# Altium PCB ADV7611采集卡.PcbDoc (part 2 of 2)
Units mm, origin at the board's own origin, x right, y up, seen from the top; angles counter-clockwise.
Board outline 46.13 x 42.44 mm, 4 copper layers (Top Layer, Power1, Power2, Bottom Layer), stack 0.567 mm thick; 57 components, 83 nets, 296 pads, 306 vias.
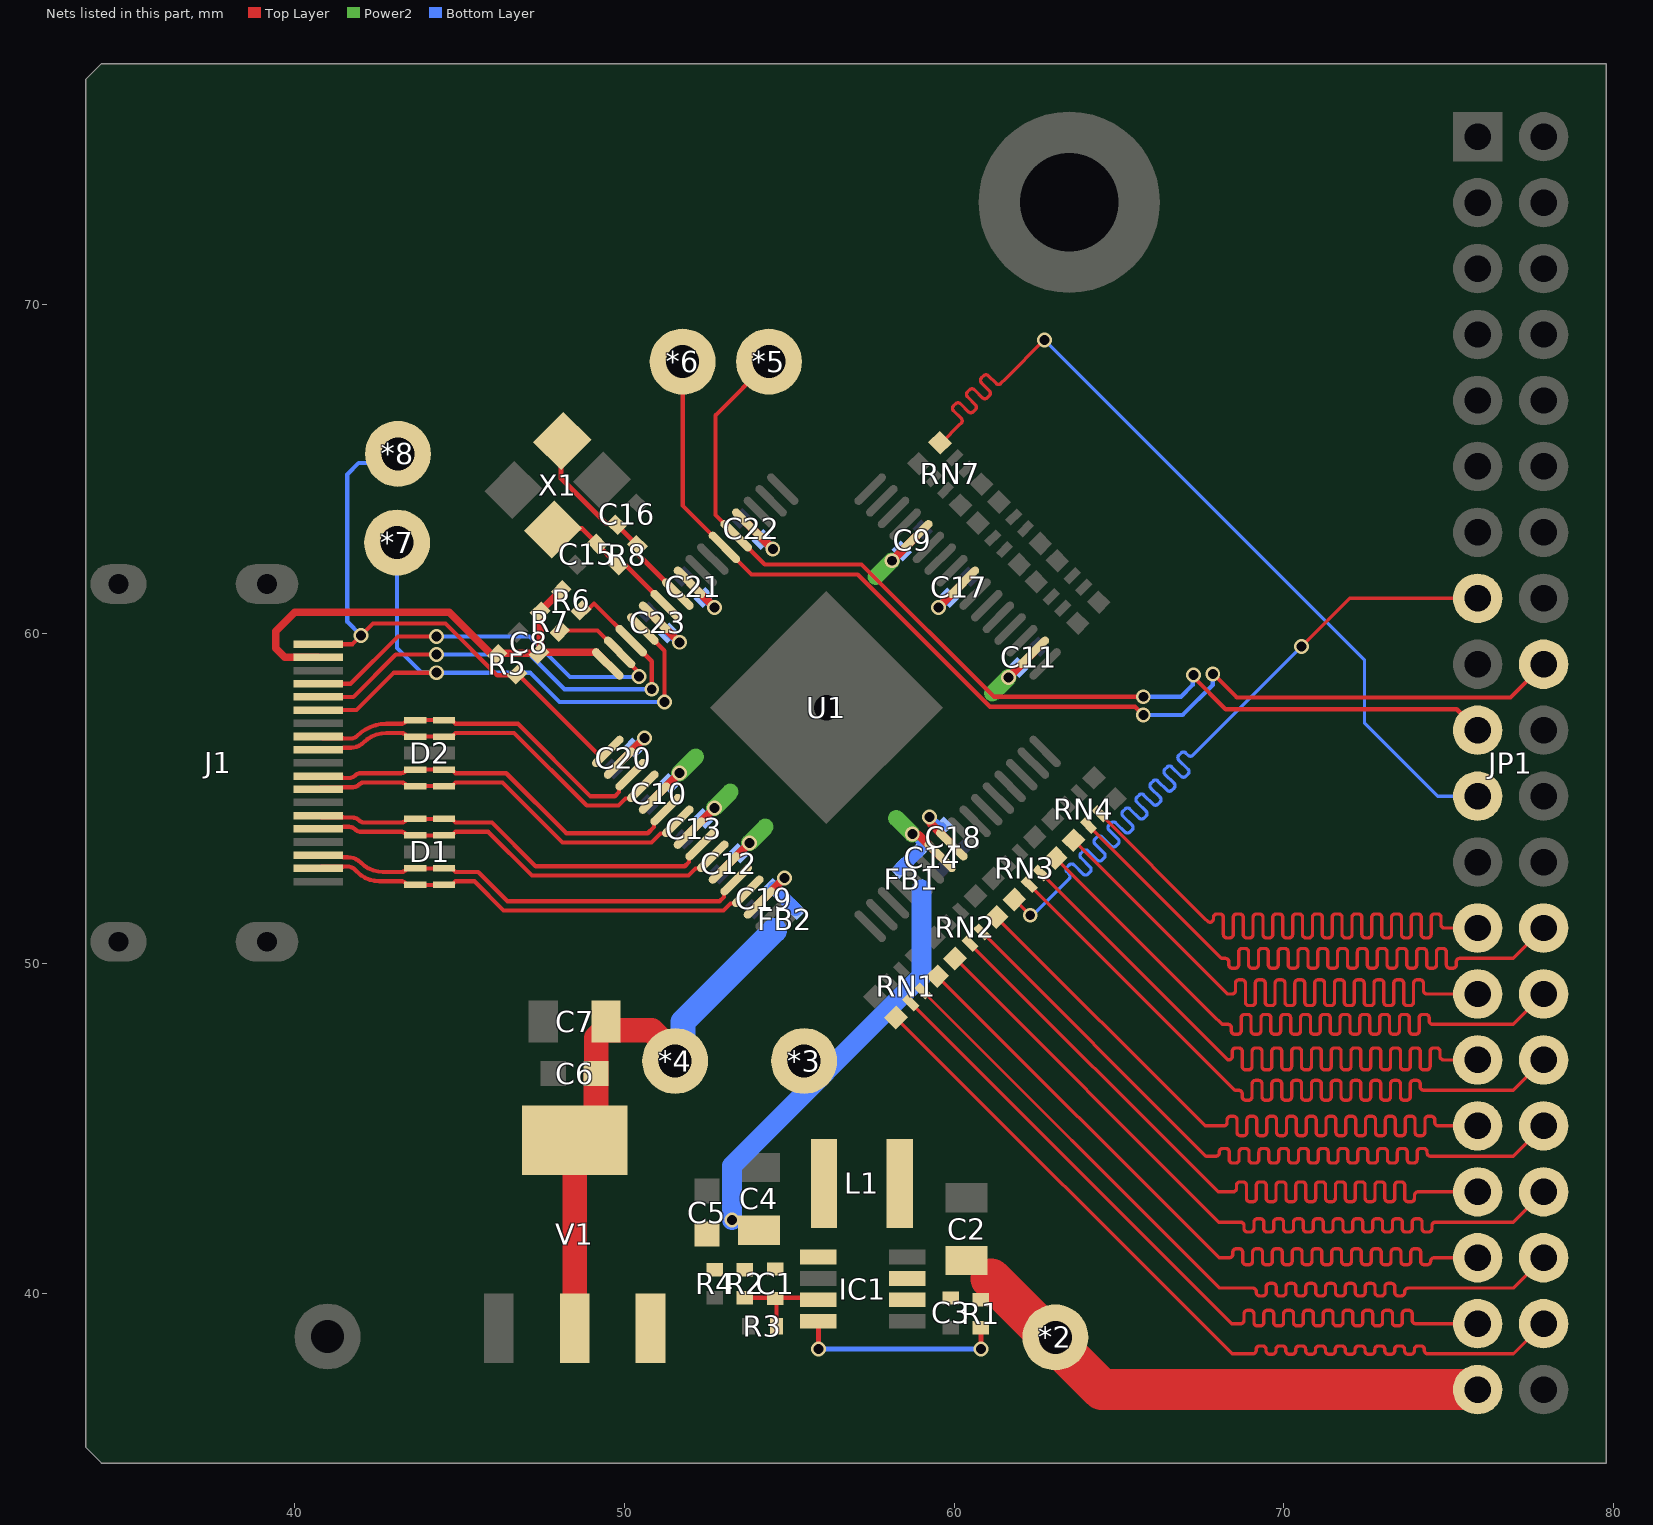
[diagram p4: the nets of this part, all layers, seen from the top]

## Via types
v1: diameter 0.45, hole 0.3, Top Layer to Bottom Layer, tented both sides, 306 vias

## Nets (pads, with @x,y where several pads share a name; then routed paths per layer and width w, separated by ;. In a path a pad name is that pad's centre, name@x,y a point inside that pad or via, vN(x,y) a via of type N, cw(c..) or ccw(c..) an arc to the next point about the centre after c; other vN are vias at no path point) (continued)
HDMI2RGB_P10: JP1.25 RN4.7 | length 27.3
  Top Layer w0.1: RN4.7@64.425,54.541 67.604,51.362 67.685,51.282 ccw(c67.759,51.356) 67.864,51.356 67.864,51.396 cw(c67.969,51.396) 67.969,51.501 68.059,51.501 cw(c68.059,51.396) 68.164,51.396 68.164,50.879 ccw(c68.269,50.879) 68.269,50.774 68.359,50.774 ccw(c68.359,50.879) 68.464,50.879 68.464,51.396 cw(c68.569,51.396) 68.569,51.501 68.659,51.501 cw(c68.659,51.396) 68.764,51.396 68.764,50.879 ccw(c68.869,50.879) 68.869,50.774 68.959,50.774 ccw(c68.959,50.879) 69.064,50.879 69.064,51.396 cw(c69.169,51.396) 69.169,51.501 69.259,51.501 cw(c69.259,51.396) 69.364,51.396 69.364,50.879 ccw(c69.469,50.879) 69.469,50.774 69.559,50.774 ccw(c69.559,50.879) 69.664,50.879 69.664,51.396 cw(c69.769,51.396) 69.769,51.501 69.859,51.501 cw(c69.859,51.396) 69.964,51.396 69.964,50.879 ccw(c70.069,50.879) 70.069,50.774 70.159,50.774 ccw(c70.159,50.879) 70.264,50.879 70.264,51.396 cw(c70.369,51.396) 70.369,51.501 70.459,51.501 cw(c70.459,51.396) 70.564,51.396 70.564,50.879 ccw(c70.669,50.879) 70.669,50.774 70.759,50.774 ccw(c70.759,50.879) 70.864,50.879 70.864,51.396 cw(c70.969,51.396) 70.969,51.501 71.059,51.501 cw(c71.059,51.396) 71.164,51.396 71.164,50.879 ccw(c71.269,50.879) 71.269,50.774 71.359,50.774 ccw(c71.359,50.879) 71.464,50.879 71.464,51.396 cw(c71.569,51.396) 71.569,51.501 71.659,51.501 cw(c71.659,51.396) 71.764,51.396 71.764,50.879 ccw(c71.869,50.879) 71.869,50.774 71.959,50.774 ccw(c71.959,50.879) 72.064,50.879 72.064,51.396 cw(c72.169,51.396) 72.169,51.501 72.259,51.501 cw(c72.259,51.396) 72.364,51.396 72.364,50.879 ccw(c72.469,50.879) 72.469,50.774 72.559,50.774 ccw(c72.559,50.879) 72.664,50.879 72.664,51.396 cw(c72.769,51.396) 72.769,51.501 72.859,51.501 cw(c72.859,51.396) 72.964,51.396 72.964,50.879 ccw(c73.069,50.879) 73.069,50.774 73.159,50.774 ccw(c73.159,50.879) 73.264,50.879 73.264,51.396 cw(c73.369,51.396) 73.369,51.501 73.459,51.501 cw(c73.459,51.396) 73.564,51.396 73.564,50.879 ccw(c73.669,50.879) 73.669,50.774 73.759,50.774 ccw(c73.759,50.879) 73.864,50.879 73.864,51.396 cw(c73.969,51.396) 73.969,51.501 74.059,51.501 cw(c74.059,51.396) 74.164,51.396 74.164,50.879 ccw(c74.269,50.879) 74.269,50.774 74.359,50.774 ccw(c74.359,50.879) 74.464,50.879 74.464,51.396 cw(c74.569,51.396) 74.569,51.501 74.659,51.501 cw(c74.659,51.396) 74.764,51.396 74.764,51.179 ccw(c74.869,51.179) 74.869,51.074 75.148,51.074 JP1.25@75.876,51.074
HDMI2RGB_P11: JP1.26 RN4.6 | length 27.5
  Top Layer w0.1: RN4.6@64.072,54.187 67.767,50.492 68.105,50.154 68.222,50.154 cw(c68.222,50.049) 68.327,50.049 68.327,49.959 ccw(c68.432,49.959) 68.432,49.854 68.522,49.854 ccw(c68.522,49.959) 68.627,49.959 68.627,50.349 cw(c68.732,50.349) 68.732,50.454 68.822,50.454 cw(c68.822,50.349) 68.927,50.349 68.927,49.959 ccw(c69.032,49.959) 69.032,49.854 69.122,49.854 ccw(c69.122,49.959) 69.227,49.959 69.227,50.349 cw(c69.332,50.349) 69.332,50.454 69.422,50.454 cw(c69.422,50.349) 69.527,50.349 69.527,49.959 ccw(c69.632,49.959) 69.632,49.854 69.722,49.854 ccw(c69.722,49.959) 69.827,49.959 69.827,50.349 cw(c69.932,50.349) 69.932,50.454 70.022,50.454 cw(c70.022,50.349) 70.127,50.349 70.127,49.959 ccw(c70.232,49.959) 70.232,49.854 70.322,49.854 ccw(c70.322,49.959) 70.427,49.959 70.427,50.349 cw(c70.532,50.349) 70.532,50.454 70.622,50.454 cw(c70.622,50.349) 70.727,50.349 70.727,49.959 ccw(c70.832,49.959) 70.832,49.854 70.922,49.854 ccw(c70.922,49.959) 71.027,49.959 71.027,50.349 cw(c71.132,50.349) 71.132,50.454 71.222,50.454 cw(c71.222,50.349) 71.327,50.349 71.327,49.959 ccw(c71.432,49.959) 71.432,49.854 71.522,49.854 ccw(c71.522,49.959) 71.627,49.959 71.627,50.349 cw(c71.732,50.349) 71.732,50.454 71.822,50.454 cw(c71.822,50.349) 71.927,50.349 71.927,49.959 ccw(c72.032,49.959) 72.032,49.854 72.122,49.854 ccw(c72.122,49.959) 72.227,49.959 72.227,50.349 cw(c72.332,50.349) 72.332,50.454 72.422,50.454 cw(c72.422,50.349) 72.527,50.349 72.527,49.959 ccw(c72.632,49.959) 72.632,49.854 72.722,49.854 ccw(c72.722,49.959) 72.827,49.959 72.827,50.349 cw(c72.932,50.349) 72.932,50.454 73.022,50.454 cw(c73.022,50.349) 73.127,50.349 73.127,49.959 ccw(c73.232,49.959) 73.232,49.854 73.322,49.854 ccw(c73.322,49.959) 73.427,49.959 73.427,50.349 cw(c73.532,50.349) 73.532,50.454 73.622,50.454 cw(c73.622,50.349) 73.727,50.349 73.727,49.959 ccw(c73.832,49.959) 73.832,49.854 73.922,49.854 ccw(c73.922,49.959) 74.027,49.959 74.027,50.349 cw(c74.132,50.349) 74.132,50.454 74.222,50.454 cw(c74.222,50.349) 74.327,50.349 74.327,49.959 ccw(c74.432,49.959) 74.432,49.854 74.522,49.854 ccw(c74.522,49.959) 74.627,49.959 74.627,50.349 cw(c74.732,50.349) 74.732,50.454 74.822,50.454 cw(c74.822,50.349) 74.927,50.349 74.927,49.959 ccw(c75.032,49.959) 75.032,49.854 75.122,49.854 ccw(c75.122,49.959) 75.227,49.959 75.227,50.049 cw(c75.332,50.049) 75.332,50.154 75.655,50.154 76.956,50.154 JP1.26@77.876,51.074
HDMI2RGB_P12: JP1.27 RN4.5 | length 27.3
  Top Layer w0.1: RN4.5@63.621,53.736 68.283,49.074 68.377,49.074 68.427,49.074 ccw(c68.427,49.179) 68.532,49.179 68.532,49.399 cw(c68.637,49.399) 68.637,49.504 68.727,49.504 cw(c68.727,49.399) 68.832,49.399 68.832,48.827 ccw(c68.937,48.827) 68.937,48.722 69.027,48.722 ccw(c69.027,48.827) 69.132,48.827 69.132,49.399 cw(c69.237,49.399) 69.237,49.504 69.327,49.504 cw(c69.327,49.399) 69.432,49.399 69.432,48.827 ccw(c69.537,48.827) 69.537,48.722 69.627,48.722 ccw(c69.627,48.827) 69.732,48.827 69.732,49.399 cw(c69.837,49.399) 69.837,49.504 69.927,49.504 cw(c69.927,49.399) 70.032,49.399 70.032,48.827 ccw(c70.137,48.827) 70.137,48.722 70.227,48.722 ccw(c70.227,48.827) 70.332,48.827 70.332,49.399 cw(c70.437,49.399) 70.437,49.504 70.527,49.504 cw(c70.527,49.399) 70.632,49.399 70.632,48.827 ccw(c70.737,48.827) 70.737,48.722 70.827,48.722 ccw(c70.827,48.827) 70.932,48.827 70.932,49.399 cw(c71.037,49.399) 71.037,49.504 71.127,49.504 cw(c71.127,49.399) 71.232,49.399 71.232,48.827 ccw(c71.337,48.827) 71.337,48.722 71.427,48.722 ccw(c71.427,48.827) 71.532,48.827 71.532,49.399 cw(c71.637,49.399) 71.637,49.504 71.727,49.504 cw(c71.727,49.399) 71.832,49.399 71.832,48.827 ccw(c71.937,48.827) 71.937,48.722 72.027,48.722 ccw(c72.027,48.827) 72.132,48.827 72.132,49.399 cw(c72.237,49.399) 72.237,49.504 72.327,49.504 cw(c72.327,49.399) 72.432,49.399 72.432,48.827 ccw(c72.537,48.827) 72.537,48.722 72.627,48.722 ccw(c72.627,48.827) 72.732,48.827 72.732,49.399 cw(c72.837,49.399) 72.837,49.504 72.927,49.504 cw(c72.927,49.399) 73.032,49.399 73.032,48.827 ccw(c73.137,48.827) 73.137,48.722 73.227,48.722 ccw(c73.227,48.827) 73.332,48.827 73.332,49.399 cw(c73.437,49.399) 73.437,49.504 73.527,49.504 cw(c73.527,49.399) 73.632,49.399 73.632,48.827 ccw(c73.737,48.827) 73.737,48.722 73.827,48.722 ccw(c73.827,48.827) 73.932,48.827 73.932,49.399 cw(c74.037,49.399) 74.037,49.504 74.127,49.504 cw(c74.127,49.399) 74.232,49.399 74.232,49.179 ccw(c74.337,49.179) 74.337,49.074 74.746,49.074 JP1.27@75.876,49.074
HDMI2RGB_P13: JP1.28 RN3.8 | length 27.4
  Top Layer w0.1: RN3.8@63.08,53.196 67.843,48.433 68.123,48.154 68.298,48.154 cw(c68.298,48.049) 68.403,48.049 68.403,47.959 ccw(c68.508,47.959) 68.508,47.854 68.598,47.854 ccw(c68.598,47.959) 68.703,47.959 68.703,48.349 cw(c68.808,48.349) 68.808,48.454 68.898,48.454 cw(c68.898,48.349) 69.003,48.349 69.003,47.959 ccw(c69.108,47.959) 69.108,47.854 69.198,47.854 ccw(c69.198,47.959) 69.303,47.959 69.303,48.349 cw(c69.408,48.349) 69.408,48.454 69.498,48.454 cw(c69.498,48.349) 69.603,48.349 69.603,47.959 ccw(c69.708,47.959) 69.708,47.854 69.798,47.854 ccw(c69.798,47.959) 69.903,47.959 69.903,48.349 cw(c70.008,48.349) 70.008,48.454 70.098,48.454 cw(c70.098,48.349) 70.203,48.349 70.203,47.959 ccw(c70.308,47.959) 70.308,47.854 70.398,47.854 ccw(c70.398,47.959) 70.503,47.959 70.503,48.349 cw(c70.608,48.349) 70.608,48.454 70.698,48.454 cw(c70.698,48.349) 70.803,48.349 70.803,47.959 ccw(c70.908,47.959) 70.908,47.854 70.998,47.854 ccw(c70.998,47.959) 71.103,47.959 71.103,48.349 cw(c71.208,48.349) 71.208,48.454 71.298,48.454 cw(c71.298,48.349) 71.403,48.349 71.403,47.959 ccw(c71.508,47.959) 71.508,47.854 71.598,47.854 ccw(c71.598,47.959) 71.703,47.959 71.703,48.349 cw(c71.808,48.349) 71.808,48.454 71.898,48.454 cw(c71.898,48.349) 72.003,48.349 72.003,47.959 ccw(c72.108,47.959) 72.108,47.854 72.198,47.854 ccw(c72.198,47.959) 72.303,47.959 72.303,48.349 cw(c72.408,48.349) 72.408,48.454 72.498,48.454 cw(c72.498,48.349) 72.603,48.349 72.603,47.959 ccw(c72.708,47.959) 72.708,47.854 72.798,47.854 ccw(c72.798,47.959) 72.903,47.959 72.903,48.349 cw(c73.008,48.349) 73.008,48.454 73.098,48.454 cw(c73.098,48.349) 73.203,48.349 73.203,47.959 ccw(c73.308,47.959) 73.308,47.854 73.398,47.854 ccw(c73.398,47.959) 73.503,47.959 73.503,48.349 cw(c73.608,48.349) 73.608,48.454 73.698,48.454 cw(c73.698,48.349) 73.803,48.349 73.803,47.959 ccw(c73.908,47.959) 73.908,47.854 73.998,47.854 ccw(c73.998,47.959) 74.103,47.959 74.103,48.349 cw(c74.208,48.349) 74.208,48.454 74.298,48.454 cw(c74.298,48.349) 74.403,48.349 74.403,48.259 ccw(c74.508,48.259) 74.508,48.154 74.759,48.154 76.956,48.154 JP1.28@77.876,49.074
HDMI2RGB_P14: JP1.29 RN3.7 | length 27.6
  Top Layer w0.1: RN3.7@62.629,52.745 68.174,47.201 68.3,47.074 68.329,47.074 ccw(c68.329,47.179) 68.434,47.179 68.434,47.331 cw(c68.539,47.331) 68.539,47.436 68.629,47.436 cw(c68.629,47.331) 68.734,47.331 68.734,46.879 ccw(c68.839,46.879) 68.839,46.774 68.929,46.774 ccw(c68.929,46.879) 69.034,46.879 69.034,47.331 cw(c69.139,47.331) 69.139,47.436 69.229,47.436 cw(c69.229,47.331) 69.334,47.331 69.334,46.879 ccw(c69.439,46.879) 69.439,46.774 69.529,46.774 ccw(c69.529,46.879) 69.634,46.879 69.634,47.331 cw(c69.739,47.331) 69.739,47.436 69.829,47.436 cw(c69.829,47.331) 69.934,47.331 69.934,46.879 ccw(c70.039,46.879) 70.039,46.774 70.129,46.774 ccw(c70.129,46.879) 70.234,46.879 70.234,47.331 cw(c70.339,47.331) 70.339,47.436 70.429,47.436 cw(c70.429,47.331) 70.534,47.331 70.534,46.879 ccw(c70.639,46.879) 70.639,46.774 70.729,46.774 ccw(c70.729,46.879) 70.834,46.879 70.834,47.331 cw(c70.939,47.331) 70.939,47.436 71.029,47.436 cw(c71.029,47.331) 71.134,47.331 71.134,46.879 ccw(c71.239,46.879) 71.239,46.774 71.329,46.774 ccw(c71.329,46.879) 71.434,46.879 71.434,47.331 cw(c71.539,47.331) 71.539,47.436 71.629,47.436 cw(c71.629,47.331) 71.734,47.331 71.734,46.879 ccw(c71.839,46.879) 71.839,46.774 71.929,46.774 ccw(c71.929,46.879) 72.034,46.879 72.034,47.331 cw(c72.139,47.331) 72.139,47.436 72.229,47.436 cw(c72.229,47.331) 72.334,47.331 72.334,46.879 ccw(c72.439,46.879) 72.439,46.774 72.529,46.774 ccw(c72.529,46.879) 72.634,46.879 72.634,47.331 cw(c72.739,47.331) 72.739,47.436 72.829,47.436 cw(c72.829,47.331) 72.934,47.331 72.934,46.879 ccw(c73.039,46.879) 73.039,46.774 73.129,46.774 ccw(c73.129,46.879) 73.234,46.879 73.234,47.331 cw(c73.339,47.331) 73.339,47.436 73.429,47.436 cw(c73.429,47.331) 73.534,47.331 73.534,46.879 ccw(c73.639,46.879) 73.639,46.774 73.729,46.774 ccw(c73.729,46.879) 73.834,46.879 73.834,47.331 cw(c73.939,47.331) 73.939,47.436 74.029,47.436 cw(c74.029,47.331) 74.134,47.331 74.134,46.879 ccw(c74.239,46.879) 74.239,46.774 74.329,46.774 ccw(c74.329,46.879) 74.434,46.879 74.434,47.331 cw(c74.538,47.331) 74.538,47.436 74.629,47.436 cw(c74.629,47.331) 74.734,47.331 74.734,47.179 ccw(c74.838,47.179) 74.838,47.074 75.057,47.074 JP1.29@75.876,47.074
HDMI2RGB_P15: JP1.30 RN3.6 | length 27.7
  Top Layer w0.1: RN3.6@62.276,52.391 68.174,46.493 68.513,46.154 68.629,46.154 cw(c68.629,46.049) 68.734,46.049 68.734,45.959 ccw(c68.839,45.959) 68.839,45.854 68.929,45.854 ccw(c68.929,45.959) 69.034,45.959 69.034,46.349 cw(c69.139,46.349) 69.139,46.454 69.229,46.454 cw(c69.229,46.349) 69.334,46.349 69.334,45.959 ccw(c69.439,45.959) 69.439,45.854 69.529,45.854 ccw(c69.529,45.959) 69.634,45.959 69.634,46.349 cw(c69.739,46.349) 69.739,46.454 69.829,46.454 cw(c69.829,46.349) 69.934,46.349 69.934,45.959 ccw(c70.039,45.959) 70.039,45.854 70.129,45.854 ccw(c70.129,45.959) 70.234,45.959 70.234,46.349 cw(c70.339,46.349) 70.339,46.454 70.429,46.454 cw(c70.429,46.349) 70.534,46.349 70.534,45.959 ccw(c70.639,45.959) 70.639,45.854 70.729,45.854 ccw(c70.729,45.959) 70.834,45.959 70.834,46.349 cw(c70.939,46.349) 70.939,46.454 71.029,46.454 cw(c71.029,46.349) 71.134,46.349 71.134,45.959 ccw(c71.239,45.959) 71.239,45.854 71.329,45.854 ccw(c71.329,45.959) 71.434,45.959 71.434,46.349 cw(c71.539,46.349) 71.539,46.454 71.629,46.454 cw(c71.629,46.349) 71.734,46.349 71.734,45.959 ccw(c71.839,45.959) 71.839,45.854 71.929,45.854 ccw(c71.929,45.959) 72.034,45.959 72.034,46.349 cw(c72.139,46.349) 72.139,46.454 72.229,46.454 cw(c72.229,46.349) 72.334,46.349 72.334,45.959 ccw(c72.439,45.959) 72.439,45.854 72.529,45.854 ccw(c72.529,45.959) 72.634,45.959 72.634,46.349 cw(c72.739,46.349) 72.739,46.454 72.829,46.454 cw(c72.829,46.349) 72.934,46.349 72.934,45.959 ccw(c73.039,45.959) 73.039,45.854 73.129,45.854 ccw(c73.129,45.959) 73.234,45.959 73.234,46.349 cw(c73.339,46.349) 73.339,46.454 73.429,46.454 cw(c73.429,46.349) 73.534,46.349 73.534,45.959 ccw(c73.639,45.959) 73.639,45.854 73.729,45.854 ccw(c73.729,45.959) 73.834,45.959 73.834,46.349 cw(c73.939,46.349) 73.939,46.454 74.029,46.454 cw(c74.029,46.349) 74.134,46.349 74.134,46.259 ccw(c74.239,46.259) 74.239,46.154 74.435,46.154 76.956,46.154 JP1.30@77.876,47.074
HDMI2RGB_P16: JP1.31 RN2.8 | length 27.6
  Top Layer w0.1: RN2.8@61.282,51.408 67.616,45.074 68.121,45.074 68.171,45.074 ccw(c68.171,45.179) 68.276,45.179 68.276,45.257 cw(c68.381,45.257) 68.381,45.362 68.471,45.362 cw(c68.471,45.257) 68.576,45.257 68.576,44.879 ccw(c68.681,44.879) 68.681,44.774 68.771,44.774 ccw(c68.771,44.879) 68.876,44.879 68.876,45.257 cw(c68.981,45.257) 68.981,45.362 69.071,45.362 cw(c69.071,45.257) 69.176,45.257 69.176,44.879 ccw(c69.281,44.879) 69.281,44.774 69.371,44.774 ccw(c69.371,44.879) 69.476,44.879 69.476,45.257 cw(c69.581,45.257) 69.581,45.362 69.671,45.362 cw(c69.671,45.257) 69.776,45.257 69.776,44.879 ccw(c69.881,44.879) 69.881,44.774 69.971,44.774 ccw(c69.971,44.879) 70.076,44.879 70.076,45.257 cw(c70.181,45.257) 70.181,45.362 70.271,45.362 cw(c70.271,45.257) 70.376,45.257 70.376,44.879 ccw(c70.481,44.879) 70.481,44.774 70.571,44.774 ccw(c70.571,44.879) 70.676,44.879 70.676,45.257 cw(c70.781,45.257) 70.781,45.362 70.871,45.362 cw(c70.871,45.257) 70.976,45.257 70.976,44.879 ccw(c71.081,44.879) 71.081,44.774 71.171,44.774 ccw(c71.171,44.879) 71.276,44.879 71.276,45.257 cw(c71.381,45.257) 71.381,45.362 71.471,45.362 cw(c71.471,45.257) 71.576,45.257 71.576,44.879 ccw(c71.681,44.879) 71.681,44.774 71.771,44.774 ccw(c71.771,44.879) 71.876,44.879 71.876,45.257 cw(c71.981,45.257) 71.981,45.362 72.071,45.362 cw(c72.071,45.257) 72.176,45.257 72.176,44.879 ccw(c72.281,44.879) 72.281,44.774 72.371,44.774 ccw(c72.371,44.879) 72.476,44.879 72.476,45.257 cw(c72.581,45.257) 72.581,45.362 72.671,45.362 cw(c72.671,45.257) 72.776,45.257 72.776,44.879 ccw(c72.881,44.879) 72.881,44.774 72.971,44.774 ccw(c72.971,44.879) 73.076,44.879 73.076,45.257 cw(c73.181,45.257) 73.181,45.362 73.271,45.362 cw(c73.271,45.257) 73.376,45.257 73.376,44.879 ccw(c73.481,44.879) 73.481,44.774 73.571,44.774 ccw(c73.571,44.879) 73.676,44.879 73.676,45.257 cw(c73.781,45.257) 73.781,45.362 73.871,45.362 cw(c73.871,45.257) 73.976,45.257 73.976,44.879 ccw(c74.081,44.879) 74.081,44.774 74.171,44.774 ccw(c74.171,44.879) 74.276,44.879 74.276,45.257 cw(c74.381,45.257) 74.381,45.362 74.471,45.362 cw(c74.471,45.257) 74.576,45.257 74.576,45.179 ccw(c74.681,45.179) 74.681,45.074 75.006,45.074 JP1.31@75.876,45.074
HDMI2RGB_P17: JP1.32 RN2.7 | length 27.6
  Top Layer w0.1: RN2.7@60.831,50.957 67.634,44.154 67.885,44.154 67.935,44.154 ccw(c67.935,44.259) 68.04,44.259 68.04,44.283 cw(c68.145,44.283) 68.145,44.388 68.235,44.388 cw(c68.235,44.283) 68.34,44.283 68.34,44.052 ccw(c68.445,44.052) 68.445,43.947 68.535,43.947 ccw(c68.535,44.052) 68.64,44.052 68.64,44.283 cw(c68.745,44.283) 68.745,44.388 68.835,44.388 cw(c68.835,44.283) 68.94,44.283 68.94,44.052 ccw(c69.045,44.052) 69.045,43.947 69.135,43.947 ccw(c69.135,44.052) 69.24,44.052 69.24,44.283 cw(c69.345,44.283) 69.345,44.388 69.435,44.388 cw(c69.435,44.283) 69.54,44.283 69.54,44.052 ccw(c69.645,44.052) 69.645,43.947 69.735,43.947 ccw(c69.735,44.052) 69.84,44.052 69.84,44.283 cw(c69.945,44.283) 69.945,44.388 70.035,44.388 cw(c70.035,44.283) 70.14,44.283 70.14,44.052 ccw(c70.245,44.052) 70.245,43.947 70.335,43.947 ccw(c70.335,44.052) 70.44,44.052 70.44,44.283 cw(c70.545,44.283) 70.545,44.388 70.635,44.388 cw(c70.635,44.283) 70.74,44.283 70.74,44.052 ccw(c70.845,44.052) 70.845,43.947 70.935,43.947 ccw(c70.935,44.052) 71.04,44.052 71.04,44.283 cw(c71.145,44.283) 71.145,44.388 71.235,44.388 cw(c71.235,44.283) 71.34,44.283 71.34,44.052 ccw(c71.445,44.052) 71.445,43.947 71.535,43.947 ccw(c71.535,44.052) 71.64,44.052 71.64,44.283 cw(c71.745,44.283) 71.745,44.388 71.835,44.388 cw(c71.835,44.283) 71.94,44.283 71.94,44.052 ccw(c72.045,44.052) 72.045,43.947 72.135,43.947 ccw(c72.135,44.052) 72.24,44.052 72.24,44.283 cw(c72.345,44.283) 72.345,44.388 72.435,44.388 cw(c72.435,44.283) 72.54,44.283 72.54,44.052 ccw(c72.645,44.052) 72.645,43.947 72.735,43.947 ccw(c72.735,44.052) 72.84,44.052 72.84,44.283 cw(c72.945,44.283) 72.945,44.388 73.035,44.388 cw(c73.035,44.283) 73.14,44.283 73.14,44.052 ccw(c73.245,44.052) 73.245,43.947 73.335,43.947 ccw(c73.335,44.052) 73.44,44.052 73.44,44.283 cw(c73.545,44.283) 73.545,44.388 73.635,44.388 cw(c73.635,44.283) 73.74,44.283 73.74,44.052 ccw(c73.845,44.052) 73.845,43.947 73.935,43.947 ccw(c73.935,44.052) 74.04,44.052 74.04,44.283 cw(c74.145,44.283) 74.145,44.388 74.235,44.388 cw(c74.235,44.283) 74.34,44.283 74.34,44.259 ccw(c74.445,44.259) 74.445,44.154 75.159,44.154 76.956,44.154 JP1.32@77.876,45.074
HDMI2RGB_P18: JP1.33 RN2.6 | length 27.6
  Top Layer w0.1: RN2.6@60.477,50.603 68.007,43.074 68.407,43.074 68.457,43.074 ccw(c68.457,43.179) 68.562,43.179 68.562,43.269 cw(c68.667,43.269) 68.667,43.374 68.757,43.374 cw(c68.757,43.269) 68.862,43.269 68.862,42.879 ccw(c68.967,42.879) 68.967,42.774 69.057,42.774 ccw(c69.057,42.879) 69.162,42.879 69.162,43.269 cw(c69.267,43.269) 69.267,43.374 69.357,43.374 cw(c69.357,43.269) 69.462,43.269 69.462,42.879 ccw(c69.567,42.879) 69.567,42.774 69.657,42.774 ccw(c69.657,42.879) 69.762,42.879 69.762,43.269 cw(c69.867,43.269) 69.867,43.374 69.957,43.374 cw(c69.957,43.269) 70.062,43.269 70.062,42.879 ccw(c70.167,42.879) 70.167,42.774 70.257,42.774 ccw(c70.257,42.879) 70.362,42.879 70.362,43.269 cw(c70.467,43.269) 70.467,43.374 70.557,43.374 cw(c70.557,43.269) 70.662,43.269 70.662,42.879 ccw(c70.767,42.879) 70.767,42.774 70.857,42.774 ccw(c70.857,42.879) 70.962,42.879 70.962,43.269 cw(c71.067,43.269) 71.067,43.374 71.157,43.374 cw(c71.157,43.269) 71.262,43.269 71.262,42.879 ccw(c71.367,42.879) 71.367,42.774 71.457,42.774 ccw(c71.457,42.879) 71.562,42.879 71.562,43.269 cw(c71.667,43.269) 71.667,43.374 71.757,43.374 cw(c71.757,43.269) 71.862,43.269 71.862,42.879 ccw(c71.967,42.879) 71.967,42.774 72.057,42.774 ccw(c72.057,42.879) 72.162,42.879 72.162,43.269 cw(c72.267,43.269) 72.267,43.374 72.357,43.374 cw(c72.357,43.269) 72.462,43.269 72.462,42.879 ccw(c72.567,42.879) 72.567,42.774 72.657,42.774 ccw(c72.657,42.879) 72.762,42.879 72.762,43.269 cw(c72.867,43.269) 72.867,43.374 72.957,43.374 cw(c72.957,43.269) 73.062,43.269 73.062,42.879 ccw(c73.167,42.879) 73.167,42.774 73.257,42.774 ccw(c73.257,42.879) 73.362,42.879 73.362,43.269 cw(c73.467,43.269) 73.467,43.374 73.557,43.374 cw(c73.557,43.269) 73.662,43.269 73.662,42.879 ccw(c73.767,42.879) 73.767,42.774 73.857,42.774 ccw(c73.857,42.879) 73.962,42.879 73.962,42.969 cw(c74.067,42.969) 74.067,43.074 74.508,43.074 JP1.33@75.876,43.074
HDMI2RGB_P19: JP1.34 RN2.5 | length 27.6
  Top Layer w0.1: RN2.5@60.026,50.152 68.025,42.154 68.335,42.154 68.685,42.154 cw(c68.685,42.049) 68.79,42.049 68.79,41.959 ccw(c68.895,41.959) 68.895,41.854 68.985,41.854 ccw(c68.985,41.959) 69.09,41.959 69.09,42.15 cw(c69.195,42.15) 69.195,42.255 69.285,42.255 cw(c69.285,42.15) 69.39,42.15 69.39,41.959 ccw(c69.495,41.959) 69.495,41.854 69.585,41.854 ccw(c69.585,41.959) 69.69,41.959 69.69,42.15 cw(c69.795,42.15) 69.795,42.255 69.885,42.255 cw(c69.885,42.15) 69.99,42.15 69.99,41.959 ccw(c70.095,41.959) 70.095,41.854 70.185,41.854 ccw(c70.185,41.959) 70.29,41.959 70.29,42.15 cw(c70.395,42.15) 70.395,42.255 70.485,42.255 cw(c70.485,42.15) 70.59,42.15 70.59,41.959 ccw(c70.695,41.959) 70.695,41.854 70.785,41.854 ccw(c70.785,41.959) 70.89,41.959 70.89,42.15 cw(c70.995,42.15) 70.995,42.255 71.085,42.255 cw(c71.085,42.15) 71.19,42.15 71.19,41.959 ccw(c71.295,41.959) 71.295,41.854 71.385,41.854 ccw(c71.385,41.959) 71.49,41.959 71.49,42.15 cw(c71.595,42.15) 71.595,42.255 71.685,42.255 cw(c71.685,42.15) 71.79,42.15 71.79,41.959 ccw(c71.895,41.959) 71.895,41.854 71.985,41.854 ccw(c71.985,41.959) 72.09,41.959 72.09,42.15 cw(c72.195,42.15) 72.195,42.255 72.285,42.255 cw(c72.285,42.15) 72.39,42.15 72.39,41.959 ccw(c72.495,41.959) 72.495,41.854 72.585,41.854 ccw(c72.585,41.959) 72.69,41.959 72.69,42.15 cw(c72.795,42.15) 72.795,42.255 72.885,42.255 cw(c72.885,42.15) 72.99,42.15 72.99,41.959 ccw(c73.095,41.959) 73.095,41.854 73.185,41.854 ccw(c73.185,41.959) 73.29,41.959 73.29,42.15 cw(c73.395,42.15) 73.395,42.255 73.485,42.255 cw(c73.485,42.15) 73.59,42.15 73.59,41.959 ccw(c73.695,41.959) 73.695,41.854 73.785,41.854 ccw(c73.785,41.959) 73.89,41.959 73.89,42.15 cw(c73.995,42.15) 73.995,42.255 74.085,42.255 cw(c74.085,42.15) 74.19,42.15 74.19,41.959 ccw(c74.295,41.959) 74.295,41.854 74.385,41.854 ccw(c74.385,41.959) 74.49,41.959 74.49,42.049 cw(c74.595,42.049) 74.595,42.154 75.057,42.154 76.956,42.154 JP1.34@77.876,43.074